# Altium PCB PCB1.PcbDoc (part 2 of 2)
Units mil, origin at the board's own origin, x right, y up, seen from the top; angles counter-clockwise.
Board outline 3149.61 x 1673.23 mil, 4 copper layers (TOP-SIG, GND1, GND2, BOT-SIG), stack 62.449 mil thick; 123 components, 58 nets, 291 pads, 564 vias.
Unrouted connection lines stored in the file: 2.
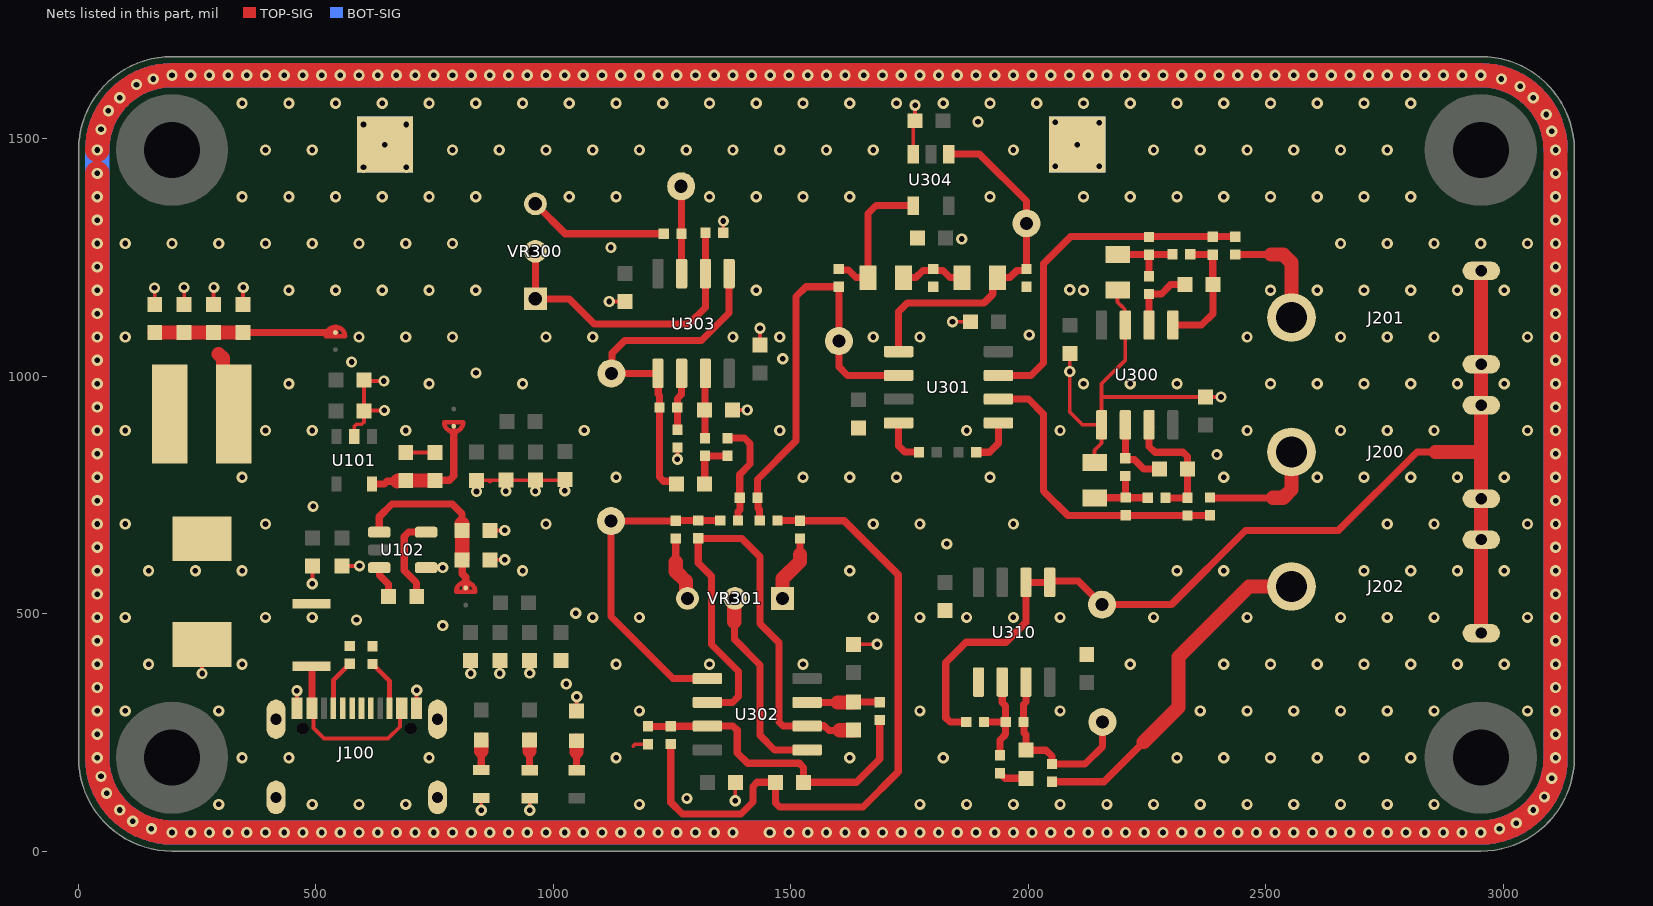
[diagram p4: the nets of this part, all layers, seen from the top]

## Via types
v1: diameter 23.62, hole 11.81, TOP-SIG to BOT-SIG, tented both sides, 532 vias
v2: diameter 23.62, hole 23.62, TOP-SIG to BOT-SIG, 32 vias

## Nets (pads, with @x,y where several pads share a name; then routed paths per layer and width w, separated by ;. In a path a pad name is that pad's centre, name@x,y a point inside that pad or via, vN(x,y) a via of type N, cw(c..) or ccw(c..) an arc to the next point about the centre after c; other vN are vias at no path point) (continued)
GND: C100.1 C101.1 C102.1 C103.1 C108.1 C109.1 C110.1 C111.1 C112.1 C113.1 C114.1 C115.1 C117.1 C118.1 C119.1 C120.1 C121.1 C122.1 C123.1 C124.1 C301.2 C302.1 C303.1 C306.1 C308.1 C309.2 C312.1 C313.2 C314.1 C315.2 C316.1 C318.2 C319.1 C321.1 C322.2 D101.2 D104.2 J100.A1_B12 J100.B1_A12 J100.SH1 J100.SH2 J100.SH3 J100.SH4 R100.2 R101.1 R102.1 R104.2 R313.1 R317.1 R320.1 R325.1 R326.1 TP100.1 TP101.1 TP102.1 TP103.1 U101.2 U102.4 U300.3 U300.5 U304.3 U310.5 | length 20364.8
  TOP-SIG w8: v1(160,1186) 160.51,1185.49 C100.1@160.51,1151.28 ; v1(222,1187) 222.51,1186.49 C101.1@222.51,1151.28 ; v1(260.14,374.14) D101.2@260.14,435.26 ; C102.1@284.51,1151.28 284.51,1186.51 v1(285,1187) ; C103.1@346.51,1151.28 346.51,1186.51 v1(347,1187) ; J100.A1_B12@459.92,300.39 v1(459.92,337.92) ; v1(492,563) 492.7,563.7 C117.1@492.7,600.72 ; C118.1@554.7,600.72 v1(591.66,600.72) ; U101.2@580.47,873.38 580.47,894.31 585.16,899 596.31,899 601,903.69 601,991.47 C109.1@601.53,992 603.53,990 v1(643,990) ; C108.1@601.45,927.1 602.35,928 v1(644,928) ; C110.1@689,839.53 C111.1@751,839.53 ; J100.B1_A12@711.89,300.39 711.89,338.89 v1(712,339) ; U102.4@732.1,596.85 766.85,596.85 v1(767,597) ; C121.1@825.71,401.53 C121.1@827.82,399.42 ; C113.1@838,780.94 863.59,780.94 ; v1(848,86) R100.2@848,111.76 ; C119.1@866.88,613.42 v1(897.58,613.42) ; C120.1@866.88,675.42 v1(897.58,675.42) v1@898,675.84 ; 866.88,777.65 863.59,780.94 ; v1(887,374) 887,400.82 C122.1@887.71,401.53 ; C123.1@949.71,401.47 950,401.24 v1(950,375) ; v1(950,86) R104.2@950,111.47 ; C124.1@1015.71,401.53 C124.1@1024,393.24 ; C115.1@1024,782.4 1022.54,780.94 863.59,780.94 ; D104.2@1048.71,295.5 1048.71,324.71 v1(1049,325) ; v1(1117.53,1157.47) C313.2@1151,1157.47 ; 1168.1,221.1 1171.93,224.93 1198.63,224.93 R320.1@1199,225.3 ; v1(1261,825) v1(1261,825) R326.1@1261.05,850.15 ; R325.1@1357.7,1302 1357.7,1326.7 v1(1358,1327) ; C306.1@1377.53,929 v1(1408,929) ; v1(1383,106) 1383,144.94 C308.1@1383.06,145 ; C312.1@1435,1065.53 v1(1435,1101) ; C309.2@1632,435.53 v1(1681.53,435.53) ; U304.3@1757.6,1467.58 1757.6,1534.13 C319.1@1761.47,1538 v1(1761.47,1570.47) ; v1(1840.29,1114.71) C315.2@1878.43,1114.71 ; C301.2@2087.26,1048.29 v1(2087.26,1010) 2087.26,924.74 2114.18,897.82 U300.5@2154.26,897.82 ; C314.1@2139.54,818.67 2139.54,844.27 2154.26,858.98 U300.5@2154.26,897.82 ; C303.1@2188.01,1181.32 2188.01,1155.73 2195.74,1148 2196,1148 2203,1141 2203,1109.08 U300.3@2204.26,1107.82 2204.26,1034.26 2154.26,984.26 2154.26,955 ; v1(2405.73,956.27) C302.1@2373.13,956.27 2155.53,956.27 2154.26,955 ; U300.5@2154.26,897.82 2154.26,955
  TOP-SIG w51.18: v1(39.37,1427.17) v1(39.37,885.82) v1(39.37,836.61) v1(39.37,787.4) v1(39.37,738.18) v1(39.37,688.97) v1(39.37,639.76) v1(39.37,590.54) v1(39.37,541.33) v1(39.37,492.12) v1(39.37,442.91) v1(39.37,393.69) v1(39.37,344.48) v1(39.37,295.27) v1(39.37,246.05) 39.37,196.85 ccw(c196.85,196.85) v1(196.85,39.37) v1(236.22,39.37) v1(275.59,39.37) v1(314.96,39.37) v1(354.33,39.37) v1(393.7,39.37) v1(433.07,39.37) v1(472.44,39.37) v1(511.81,39.37) v1(551.18,39.37) v1(590.55,39.37) v1(629.92,39.37) v1(669.29,39.37) v1(708.66,39.37) v1(748.03,39.37) v1(787.4,39.37) v1(826.77,39.37) v1(866.14,39.37) v1(905.51,39.37) v1(944.88,39.37) v1(984.25,39.37) v1(1023.62,39.37) v1(1062.99,39.37) v1(1102.36,39.37) v1(1141.73,39.37) v1(1181.1,39.37) v1(1259.84,39.37) ; v1(39.37,1476.38) cw(c196.85,1476.38) v1(196.85,1633.86) v1(236.22,1633.86) v1(275.59,1633.86) v1(314.96,1633.86) v1(354.33,1633.86) v1(393.7,1633.86) v1(433.07,1633.86) v1(472.44,1633.86) v1(511.81,1633.86) v1(551.18,1633.86) v1(590.55,1633.86) v1(629.92,1633.86) v1(669.29,1633.86) v1(708.66,1633.86) v1(748.03,1633.86) v1(787.4,1633.86) v1(826.77,1633.86) v1(866.14,1633.86) v1(905.51,1633.86) v1(944.88,1633.86) v1(984.25,1633.86) v1(1023.62,1633.86) v1(1062.99,1633.86) v1(1102.36,1633.86) v1(1141.73,1633.86) v1(1181.1,1633.86) v1(1220.47,1633.86) v1(1259.84,1633.86) v1(1299.21,1633.86) v1(1338.58,1633.86) v1(1377.95,1633.86) v1(1417.32,1633.86) v1(1456.69,1633.86) v1(1496.06,1633.86) v1(1535.43,1633.86) v1(1574.8,1633.86) v1(1614.17,1633.86) v1(1653.54,1633.86) v1(1692.91,1633.86) v1(1732.28,1633.86) v1(1771.65,1633.86) v1(1811.02,1633.86) v1(1850.39,1633.86) v1(1889.76,1633.86) v1(1929.13,1633.86) v1(1968.5,1633.86) v1(2007.87,1633.86) v1(2047.24,1633.86) v1(2086.61,1633.86) v1(2125.98,1633.86) v1(2165.35,1633.86) v1(2204.72,1633.86) v1(2244.09,1633.86) v1(2283.46,1633.86) v1(2322.83,1633.86) v1(2362.2,1633.86) v1(2401.57,1633.86) v1(2440.94,1633.86) v1(2480.32,1633.86) v1(2519.68,1633.86) v1(2559.06,1633.86) v1(2598.43,1633.86) v1(2637.8,1633.86) v1(2677.17,1633.86) v1(2716.54,1633.86) v1(2755.91,1633.86) v1(2795.28,1633.86) v1(2834.65,1633.86) v1(2874.02,1633.86) v1(2913.39,1633.86) v1(2952.76,1633.86) cw(c2952.76,1476.38) v1(3110.24,1476.38) v1(3110.24,1427.16) v1(3110.24,1377.95) v1(3110.24,1328.74) v1(3110.24,1279.53) v1(3110.24,1230.31) v1(3110.24,1181.1) v1(3110.24,1131.89) v1(3110.24,1082.67) v1(3110.24,1033.46) v1(3110.24,984.25) v1(3110.24,935.03) v1(3110.24,885.82) v1(3110.24,836.61) v1(3110.24,787.4) v1(3110.24,738.18) v1(3110.24,688.97) v1(3110.24,639.76) v1(3110.24,590.54) v1(3110.24,541.33) v1(3110.24,492.12) v1(3110.24,442.9) v1(3110.24,393.69) v1(3110.24,344.48) v1(3110.24,295.27) v1(3110.24,246.05) 3110.24,196.85 cw(c2952.76,196.85) v1(2952.76,39.37) v1(2913.39,39.37) v1(2874.02,39.37) v1(2834.65,39.37) v1(2795.28,39.37) v1(2755.91,39.37) v1(2716.54,39.37) v1(2677.17,39.37) v1(2637.8,39.37) v1(2598.43,39.37) v1(2559.06,39.37) v1(2519.68,39.37) v1(2480.32,39.37) v1(2440.94,39.37) v1(2401.57,39.37) v1(2362.2,39.37) v1(2322.83,39.37) v1(2283.46,39.37) v1(2244.09,39.37) v1(2204.72,39.37) v1(2165.35,39.37) v1(2125.98,39.37) v1(2086.61,39.37) v1(2047.24,39.37) v1(2007.87,39.37) v1(1968.5,39.37) v1(1929.13,39.37) v1(1889.76,39.37) v1(1850.39,39.37) v1(1811.02,39.37) v1(1771.65,39.37) v1(1732.28,39.37) v1(1692.91,39.37) v1(1653.54,39.37) v1(1614.17,39.37) v1(1574.8,39.37) v1(1535.43,39.37) v1(1496.06,39.37) v1(1454.65,39.37) 1454.37,39.09 v1@1377.95,39.09 ; v1@1255.63,39.09 1298.93,39.09 v1(1299.21,39.37) ; v1@1299.21,39.09 1338.3,39.09 v1(1338.58,39.37) ; v1@1338.58,39.09 1377.67,39.09 v1(1377.95,39.37)
  BOT-SIG w51.18: v1(3110.24,1427.16) v1(3110.24,1377.95) v1(3110.24,1328.74) v1(3110.24,1279.53) v1(3110.24,1230.31) v1(3110.24,1181.1) v1(3110.24,1131.89) v1(3110.24,1082.67) v1(3110.24,1033.46) v1(3110.24,984.25) v1(3110.24,935.03) v1(3110.24,885.82) v1(3110.24,836.61) v1(3110.24,787.4) v1(3110.24,738.18) v1(3110.24,688.97) v1(3110.24,639.76) v1(3110.24,590.54) v1(3110.24,541.33) v1(3110.24,492.12) v1(3110.24,442.9) v1(3110.24,393.69) v1(3110.24,344.48) v1(3110.24,295.27) v1(3110.24,246.05) v1(3110.24,196.84) cw(c2952.76,196.85) v1(2952.76,39.37) v1(2913.39,39.37) v1(2874.02,39.37) v1(2834.65,39.37) v1(2795.28,39.37) v1(2755.91,39.37) v1(2716.54,39.37) v1(2677.17,39.37) v1(2637.8,39.37) v1(2598.43,39.37) v1(2559.06,39.37) v1(2519.68,39.37) v1(2480.32,39.37) v1(2440.94,39.37) v1(2401.57,39.37) v1(2362.2,39.37) v1(2322.83,39.37) v1(2283.46,39.37) v1(2244.09,39.37) v1(2204.72,39.37) v1(2165.35,39.37) v1(2125.98,39.37) v1(2086.61,39.37) v1(2047.24,39.37) v1(2007.87,39.37) v1(1968.5,39.37) v1(1929.13,39.37) v1(1889.76,39.37) v1(1850.39,39.37) v1(1811.02,39.37) v1(1771.65,39.37) v1(1732.28,39.37) v1(1692.91,39.37) v1(1653.54,39.37) v1(1614.17,39.37) v1(1574.8,39.37) v1(1535.43,39.37) v1(1496.06,39.37) v1(1456.69,39.37) 1417.32,39.37 v1(1377.95,39.37) v1(1338.58,39.37) v1(1299.21,39.37) v1(1259.84,39.37) v1(1220.47,39.37) v1(1181.1,39.37) v1(1141.73,39.37) v1(1102.36,39.37) v1(1062.99,39.37) v1(1023.62,39.37) v1(984.25,39.37) v1(944.88,39.37) v1(905.51,39.37) v1(866.14,39.37) v1(826.77,39.37) v1(787.4,39.37) v1(748.03,39.37) v1(708.66,39.37) v1(669.29,39.37) v1(629.92,39.37) v1(590.55,39.37) v1(551.18,39.37) v1(511.81,39.37) v1(472.44,39.37) v1(433.07,39.37) v1(393.7,39.37) v1(354.33,39.37) v1(314.96,39.37) v1(275.59,39.37) v1(236.22,39.37) v1(196.85,39.37) cw(c196.85,196.85) 39.37,196.85 v1(39.37,295.27) v1(39.37,344.48) v1(39.37,393.69) v1(39.37,442.91) v1(39.37,492.12) v1(39.37,541.33) v1(39.37,590.54) v1(39.37,639.76) v1(39.37,688.97) v1(39.37,738.18) v1(39.37,787.4) v1(39.37,836.61) v1(39.37,885.82) v1(39.37,935.04) v1(39.37,984.25) v1(39.37,1033.46) v1(39.37,1082.67) v1(39.37,1131.89) v1(39.37,1181.1) v1(39.37,1230.31) v1(39.37,1279.53) v1(39.37,1328.74) v1(39.37,1377.95) v1(39.37,1476.38) cw(c196.85,1476.38) v1(196.85,1633.86) v1(236.22,1633.86) v1(275.59,1633.86) v1(314.96,1633.86) v1(354.33,1633.86) v1(393.7,1633.86) v1(433.07,1633.86) v1(472.44,1633.86) v1(511.81,1633.86) v1(551.18,1633.86) v1(590.55,1633.86) v1(629.92,1633.86) v1(669.29,1633.86) v1(708.66,1633.86) v1(748.03,1633.86) v1(787.4,1633.86) v1(826.77,1633.86) v1(866.14,1633.86) v1(905.51,1633.86) v1(944.88,1633.86) v1(984.25,1633.86) v1(1023.62,1633.86) v1(1062.99,1633.86) v1(1102.36,1633.86) v1(1141.73,1633.86) v1(1181.1,1633.86) v1(1220.47,1633.86) v1(1259.84,1633.86) v1(1299.21,1633.86) v1(1338.58,1633.86) v1(1377.95,1633.86) v1(1417.32,1633.86) v1(1456.69,1633.86) v1(1496.06,1633.86) v1(1535.43,1633.86) v1(1574.8,1633.86) v1(1614.17,1633.86) v1(1653.54,1633.86) v1(1692.91,1633.86) v1(1732.28,1633.86) v1(1771.65,1633.86) v1(1811.02,1633.86) v1(1850.39,1633.86) v1(1889.76,1633.86) v1(1929.13,1633.86) v1(1968.5,1633.86) v1(2007.87,1633.86) v1(2047.24,1633.86) v1(2086.61,1633.86) v1(2125.98,1633.86) v1(2165.35,1633.86) v1(2204.72,1633.86) v1(2244.09,1633.86) v1(2283.46,1633.86) v1(2322.83,1633.86) v1(2362.2,1633.86) v1(2401.57,1633.86) v1(2440.94,1633.86) v1(2480.32,1633.86) v1(2519.68,1633.86) v1(2559.06,1633.86) v1(2598.43,1633.86) v1(2637.8,1633.86) v1(2677.17,1633.86) v1(2716.54,1633.86) v1(2755.91,1633.86) v1(2795.28,1633.86) v1(2834.65,1633.86) v1(2874.02,1633.86) v1(2913.39,1633.86) v1(2952.76,1633.86) cw(c2952.76,1476.38) v1(3110.24,1476.38)
  other v1: 153.54,47.24 2992.13,47.24 3027.56,59.06 114.17,62.99 86.61,86.61 3062.99,86.61 295.28,98.43 492.13,98.43 590.55,98.43 688.98,98.43 1181.1,98.43 1771.65,98.43 1870.08,98.43 1968.5,98.43 2066.93,98.43 2165.35,98.43 2263.78,98.43 2362.2,98.43 2460.63,98.43 2559.06,98.43 2657.48,98.43 2755.91,98.43 2854.33,98.43 1281,111 3086.61,114.17 59.06,122.05 3102.36,153.54 47.24,157.48 39.37,196.84 344.49,196.85 442.91,196.85 738.19,196.85 1131.89,196.85 1624.02,196.85 1820.87,196.85 2312.99,196.85 2411.42,196.85 2509.84,196.85 2608.27,196.85 2706.69,196.85 2805.12,196.85 98.43,295.28 295.28,295.28 1181.1,295.28 1771.65,295.28 2066.93,295.28 2362.2,295.28 2460.63,295.28 2559.06,295.28 2657.48,295.28 2755.91,295.28 2854.33,295.28 3051.18,295.28 1027,352 826,374 147.64,393.7 344.49,393.7 1131.89,393.7 1328.74,393.7 1525.59,393.7 2214.57,393.7 2411.42,393.7 2509.84,393.7 2608.27,393.7 2706.69,393.7 2805.12,393.7 2903.54,393.7 3001.97,393.7 767,475 585.32,486.89 98.43,492.13 393.7,492.13 492.13,492.13 1082.68,492.13 1181.1,492.13 1673.23,492.13 1771.65,492.13 1870.08,492.13 1968.5,492.13 2066.93,492.13 2263.78,492.13 2460.63,492.13 2657.48,492.13 2755.91,492.13 2854.33,492.13 3051.18,492.13 1047,501 147.64,590.55 246.06,590.55 344.49,590.55 935.04,590.55 1624.02,590.55 2312.99,590.55 2411.42,590.55 2706.69,590.55 2805.12,590.55 2903.54,590.55 3001.97,590.55 1828,647 98.43,688.98 393.7,688.98 984.25,688.98 1673.23,688.98 1771.65,688.98 1968.5,688.98 2755.91,688.98 2854.33,688.98 3051.18,688.98 494,726 838,757.32 900,758.08 962,758.08 1024,759 344.49,787.4 1131.89,787.4 1525.59,787.4 1624.02,787.4 1722.44,787.4 1919.29,787.4 2411.42,787.4 2608.27,787.4 2706.69,787.4 2805.12,787.4 2903.54,787.4 3001.97,787.4 2397,835 98.43,885.83 393.7,885.83 492.13,885.83 688.98,885.83 1065,886 1476.38,885.83 1870.08,885.83 2066.93,885.83 2460.63,885.83 2657.48,885.83 2755.91,885.83 2854.33,885.83 3051.18,885.83 442.91,984.25 738.19,984.25 935.04,984.25 2116.14,984.25 2214.57,984.25 2312.99,984.25 2509.84,984.25 2608.27,984.25 2706.69,984.25 2805.12,984.25 2903.54,984.25 3001.97,984.25 837,1007 575,1030 1483,1037 98.43,1082.68 590.55,1082.68 688.98,1082.68 787.4,1082.68 984.25,1082.68 1082.68,1082.68 1377.95,1082.68 1476.38,1082.68 1673.23,1082.68 1771.65,1082.68 2460.63,1082.68 2657.48,1082.68 2755.91,1082.68 2854.33,1082.68 3051.18,1082.68 2002,1087 442.91,1181.1 541.34,1181.1 639.76,1181.1 738.19,1181.1 836.61,1181.1 1427.17,1181.1 2116.14,1181.1 2509.84,1181.1 2608.27,1181.1 2706.69,1181.1 2805.12,1181.1 2903.54,1181.1 3001.97,1181.1 2087,1182 1121,1271 98.43,1279.53 196.85,1279.53 295.28,1279.53 393.7,1279.53 492.13,1279.53 590.55,1279.53 688.98,1279.53 787.4,1279.53 2657.48,1279.53 2755.91,1279.53 2854.33,1279.53 2952.76,1279.53 3051.18,1279.53 1860,1289 344.49,1377.95 442.91,1377.95 541.34,1377.95 639.76,1377.95 738.19,1377.95 836.61,1377.95 1033.46,1377.95 1131.89,1377.95 1328.74,1377.95 1427.17,1377.95 1525.59,1377.95 1624.02,1377.95 1919.29,1377.95 2116.14,1377.95 2214.57,1377.95 2312.99,1377.95 2411.42,1377.95 2509.84,1377.95 2608.27,1377.95 2706.69,1377.95 2805.12,1377.95 600,1440 690,1440 2057,1442 2149,1442 393.7,1476.38 492.13,1476.38 787.4,1476.38 885.83,1476.38 984.25,1476.38 1082.68,1476.38 1181.1,1476.38 1279.53,1476.38 1377.95,1476.38 1476.38,1476.38 1574.8,1476.38 1673.23,1476.38 1968.5,1476.38 2263.78,1476.38 2362.2,1476.38 2460.63,1476.38 2559.06,1476.38 2657.48,1476.38 2755.91,1476.38 645,1487.72 2103,1487.72 3102.36,1515.75 47.24,1519.69 600,1530 690,1530 2149,1534 2057,1535 1894,1536 3090.55,1551.18 62.99,1559.06 344.49,1574.8 442.91,1574.8 541.34,1574.8 639.76,1574.8 738.19,1574.8 836.61,1574.8 935.04,1574.8 1033.46,1574.8 1131.89,1574.8 1230.32,1574.8 1328.74,1574.8 1427.17,1574.8 1525.59,1574.8 1624.02,1574.8 1722.44,1574.8 1820.87,1574.8 1919.29,1574.8 2017.72,1574.8 2116.14,1574.8 2214.57,1574.8 2312.99,1574.8 2411.42,1574.8 2509.84,1574.8 2608.27,1574.8 2706.69,1574.8 2805.12,1574.8 86.61,1586.61 3062.99,1586.61 3035.43,1610.24 122.05,1614.17 157.48,1625.98 2996.06,1625.98
NetC100_2: C100.2 C101.2 C102.2 C103.2 L100.2 SB100.2 | length 520.9
  TOP-SIG w15: C103.2@346.51,1092.22 540.78,1092.22 SB100.2@541,1092
  TOP-SIG w30: C100.2@161.26,1091.48 C100.2@160.51,1092.22 C101.2@222.51,1092.22 C102.2@284.51,1092.22 C103.2@346.51,1092.22 ; 294.7,1047 303.99,1037.71 303.99,943.29 L100.2@326.39,920.89
NetC110_2: C110.2 C111.2 SB102.2 U101.5 | length 247
  TOP-SIG w15: U101.5@617.87,772.99 643.99,772.99 650,779 671,779 ; C111.2@760,780.47 760.53,781 781.21,781 790,789.79 790,883.24
  TOP-SIG w30: 671,779 672.47,780.47 ; C110.2@689,780.47 C111.2@751,780.47
NetC116_1: C116.1 U102.3 | length 68.8
  TOP-SIG w15: U102.3@633.29,596.85 634,596.13 634,581 653,562 653,536.42 C116.1@653.17,536.25
NetC116_2: C116.2 U102.5 | length 187.2
  TOP-SIG w15: C116.2@712.22,536.25 712,536.47 712,565 686,591 686,662.86 694.79,671.65 U102.5@732.1,671.65
NetC119_2: C119.2 C120.2 SB103.2 U102.1 | length 401.3
  TOP-SIG w15: U102.1@633.29,671.65 633.29,704.29 660,731 787,731 807.83,710.17 C120.2@807.83,675.42 ; C119.2@807.83,613.42 808,613.25 808,584 815.28,576.72 SB103.2@815.28,553.73
  TOP-SIG w30: C120.2@807,690.03 807.83,689.2 C120.2@807.83,675.42 C119.2@807.83,613.42
NetC300_1: C300.1 R300.1 R304.1 U300.1 | length 266.4
  TOP-SIG w15: U300.1@2304.26,1107.82 2364.82,1107.82 2388.53,1131.53 C300.1@2388.53,1193 2388.39,1193.13 2388.39,1255.98 R304.1@2388.26,1256.12 2387.91,1256.47 2341.31,1256.47 R300.1@2340.96,1256.82
NetC300_2: C300.2 R301.1 U300.2 | length 148.7
  TOP-SIG w15: U300.2@2254.26,1107.82 R301.1@2254.26,1173.12 2280.12,1173.12 2300,1193 C300.2@2329.47,1193
NetC303_2: C303.2 R300.2 R301.2 R302.2 | length 161.3
  TOP-SIG w15: C303.2@2188.01,1256.13 2188.36,1256.47 2303.21,1256.47 R300.2@2303.56,1256.82 ; R301.2@2254.26,1210.52 R302.2@2254.26,1255.98
NetC304_1: C304.1 R308.2 R309.1 | length 106.9
  TOP-SIG w15: C304.1@1318.53,773 1318.76,773.24 1318.76,832.06 R309.1@1319,832.3 R308.2@1366.43,832.3
NetC304_2: C304.2 R324.2 TP303.1 U303.1 U303.5 | length 767.5
  TOP-SIG w15: C304.2@1259.47,773 1253.54,778.93 1232.09,778.93 1223.3,787.72 R324.2@1223.3,934 1223.3,959.7 1220.7,962.3 1220.7,1005.3 U303.1@1220,1006 TP303.1@1122,1006 1123.29,1007.29 1123.29,1048.29 1150,1075 1312,1075 1370,1133 U303.5@1370,1216
NetC305_1: C305.1 R306.2 R314.1 R327.2 | length 1452.4
  TOP-SIG w15: R314.1@1247,225.6 1247,103 1271.54,78.46 1394.7,78.46 1420,103.76 1420,136.21 1428.79,145 C305.1@1467.47,145 1467.47,101.79 1476.26,93 1652,93 1726,167 1726,582 1612.3,695.7 R327.2@1519,695.7 1518.8,695.9 1471.9,695.9 R306.2@1471.7,696.1
NetC305_2: C305.2 R312.2 R314.2 R320.2 U302.3 | length 685.7
  TOP-SIG w15: R320.2@1199,262.7 1199.15,262.85 1246.85,262.85 R314.2@1247,263 ; R314.2@1247.28,262.98 1323.88,262.98 U302.3@1324.15,263.25 1378.21,263.25 1387,254.47 1387,207 1409,185 1517.74,185 1526.53,176.21 C305.2@1526.53,145 1638,145 1687,194 R312.2@1687,276.35
NetC306_2: C306.2 R309.2 U303.3 | length 136.7
  TOP-SIG w15: R309.2@1319,869.7 1319.5,870.2 1319.5,1005.5 U303.3@1320,1006
NetC307_1: C307.1 R312.1 U302.7 | length 152.5
  TOP-SIG w15: U302.7@1534.15,313.25 1598.75,313.25 ; C307.1@1632.29,313.68 R312.1@1687,313.75
  TOP-SIG w30: 1598.75,313.25 C307.1@1631.86,313.25
NetC307_2: C307.2 R323.2 U302.2 U302.6 | length 1115.2
  TOP-SIG w15: U302.2@1324.15,313.25 1377.25,313.25 1390,326 1390,378 1333,435 1333,579 1304.98,607.02 R323.2@1304.98,658.69 1396.31,658.69 1435,620 1435,479 1475,439 1475,272.04 1483.79,263.25 U302.6@1534.15,263.25 1534.9,264 1570,264 1580,254 1602.38,254 1603,254.62
  TOP-SIG w30: 1603,254.62 C307.2@1632.29,254.62
NetC310_1: C310.1 R313.2 TP306.1 U301.5 U304.1 | length 752.6
  TOP-SIG w15: U301.5@1727,1051.8 1727,1136 1745.59,1154.59 1906.98,1154.59 1925.18,1172.8 1925.18,1197.47 C310.1@1935.4,1207.68 1961,1207.68 1975.64,1222.33 1992.67,1222.33 R313.2@1996,1225.65 1996,1331 1996,1369 1897.42,1467.58 U304.1@1832.4,1467.58
NetC310_2: C310.2 C311.1 R317.2 | length 138.3
  TOP-SIG w15: C311.1@1737.4,1207.68 1762.99,1207.68 1777.93,1222.63 1796.67,1222.63 R317.2@1800,1225.95 1803.33,1222.63 1820.07,1222.63 1835.01,1207.68 C310.2@1860.6,1207.68
NetC311_2: C311.2 R311.1 U304.4 | length 306
  TOP-SIG w15: R311.1@1601,1225.95 1603.27,1223.68 1621,1223.68 1637,1207.68 C311.2@1662.6,1207.68 1662.6,1342.6 1679.32,1359.32 U304.4@1757.6,1359.32
NetC314_2: C314.2 R319.1 R321.2 R329.2 | length 157.5
  TOP-SIG w15: C314.2@2139.54,743.86 2139.94,744.26 2203.87,744.26 2204.58,744.97 2204.58,789.8 R321.2@2204.26,790.12 ; R319.1@2204.89,744.65 2205.27,744.27 2250.96,744.27 R329.2@2251.34,743.89
NetC317_1: C317.1 R316.1 R329.1 U300.7 | length 275.1
  TOP-SIG w15: U300.7@2258.57,893.51 U300.7@2254.26,897.82 2254.26,852.26 2266.52,840 2326,840 2335,831 2335,805.53 C317.1@2335.53,805 ; R329.1@2288.74,743.89 2288.81,743.96 2335.13,743.96 R316.1@2335.19,744.02 2335.49,744.32 2335.49,804.7 C317.1@2335.79,805
NetC317_2: C317.2 R321.1 U300.6 | length 159.5
  TOP-SIG w15: U300.6@2204.26,897.82 R321.1@2204.26,827.52 2206.78,825 2223,825 2243,805 C317.2@2276.47,805 C317.2@2271.05,810.42
NetC320_1: C320.1 R202.2 R331.1 TP305.1 U310.7 | length 397.8
  TOP-SIG w15: U310.7@1995,355.98 1995,314 1989.7,308.7 R331.1@1989.7,271.98 1991,270.68 1991,249 1995,245 C320.1@1995,212.51 2037.48,212.51 2049.72,200.28 R202.2@2049.72,183.54 2119.54,183.54 2156,220 TP305.1@2156,272
NetC320_2: C320.2 R330.1 | length 59.2
  TOP-SIG w15: R330.1@1940.28,164.28 1951.11,153.45 C320.2@1995,153.45
NetD100_1: D100.1 R100.1 | length 63.7
  TOP-SIG w15: R100.1@848,170.82 848,210.88
  TOP-SIG w30: 848,210.88 D100.1@848,234.5
NetD101_1: D101.1 F100.1 L100.1 | length 0.7
  TOP-SIG w30: L100.1@192.53,920.89 L100.1@193,920.43
NetD103_1: D103.1 R104.1 | length 64
  TOP-SIG w15: 949.85,210.88 949.85,170.67 R104.1@950,170.53
  TOP-SIG w30: 949.85,210.88 D103.1@949.85,234.5
NetD104_1: D104.1 R105.1 | length 62.1
  TOP-SIG w15: 1048.71,208.88 1048.71,170.82 R105.1@1049,170.53
  TOP-SIG w30: 1048.71,208.88 D104.1@1048.71,232.5
NetF100_0: F100.0 J100.A4_B9 J100.B4_A9 | length 372.8
  TOP-SIG w8: J100.A4_B9@491.42,300.39 494.92,296.89 494.92,259.08 517,237 652,237 676.89,261.89 676.89,296.89 J100.B4_A9@680.39,300.39
  TOP-SIG w15: J100.A4_B9@491.42,300.39 F100.0@491.42,389
NetJ100_A5: J100.A5 R102.2 | length 108.6
  TOP-SIG w10: J100.A5@536.69,300.39 536.69,359.89 R102.2@571.39,394.58
NetJ100_B5: J100.B5 R101.2 | length 108.8
  TOP-SIG w10: R101.2@618.82,394.27 654.8,358.29 J100.B5@654.8,300.39
NetJ200_2: J200.2 R200.1 | length 257.9
  TOP-SIG w15: R200.1@2382.62,744.6 R200.1@2383.16,744.07 ; R200.1@2383.16,744 2515,744
  TOP-SIG w30: 2515,744 2536.55,744 2554.13,761.57 J200.2@2554.13,840.52
NetJ201_2: J201.2 R201.1 | length 241.1
  TOP-SIG w15: R201.1@2435.69,1256.48 2511.52,1256.48
  TOP-SIG w30: 2511.52,1256.48 2536.55,1256.48 2554.13,1238.91 J201.2@2554.13,1123.52
NetJ202_2: J202.2 R202.1 | length 735.8
  TOP-SIG w15: R202.1@2049.72,146.14 2159.14,146.14 2243,230
  TOP-SIG w30: 2243,230 2316,303 2316,409 2464.52,557.52 J202.2@2552.98,557.52
NetR200_2: R200.2 R316.2 R319.2 U301.2 | length 641.9
  TOP-SIG w15: U301.2@1937,951.8 2000.2,951.8 2032,920 2032,758 2082.87,707.13 2204.89,707.13 2335.19,707.13 R200.2@2382.62,707.13
NetR201_2: R201.2 R302.1 R304.2 U301.3 | length 742.1
  TOP-SIG w15: U301.3@1937,1001.8 2005.8,1001.8 2032,1028 2032,1237 2088.88,1293.88 2254.26,1293.88 2388.26,1293.88 R201.2@2435.69,1293.88
NetR303_1: R303.1 R306.1 R311.2 TP300.1 U301.6 | length 908.1
  TOP-SIG w15: R306.1@1434.3,696.1 1434.3,698.99 1433.86,699.43 1433.86,719.14 1431.04,721.96 1431.04,742.77 R303.1@1429.7,744.1 1429.7,782.7 1511,864 1511,1168 1531.55,1188.55 R311.2@1601,1188.55 TP300.1@1601,1074 1601,1020 1619.2,1001.8 U301.6@1727,1001.8
NetR303_2: R303.2 R307.2 R308.1 | length 225.3
  TOP-SIG w15: R308.1@1366.43,869.7 1402.3,869.7 1414,858 1414,815 1392.3,793.3 R303.2@1392.3,744.1 1393,743.4 1393,719 1389,715 1389,696.27 R307.2@1388.83,696.1
NetR307_1: R307.1 R323.1 R328.1 TP301.1 U302.1 | length 688.3
  TOP-SIG w15: R328.1@1256.89,695 TP301.1@1121,695 1121,494 1251.75,363.25 U302.1@1324.15,363.25 ; R328.1@1257.55,695.66 1257.77,695.88 1304.98,695.88 1351.21,695.88 R307.1@1351.43,696.1
NetR315_1: R315.1 U301.8 | length 97
  TOP-SIG w15: U301.8@1727,901.8 1727,853 1739.79,840.21 R315.1@1769.95,840.21
NetR318_1: R318.1 U301.1 | length 97.5
  TOP-SIG w15: R318.1@1890.22,839.99 1917.99,839.99 1937,859 U301.1@1937,901.8
NetR322_1: R322.1 TP302.1 U303.7 | length 184.4
  TOP-SIG w15: TP302.1@1269,1400 1269.35,1399.65 1269.35,1300.35 R322.1@1269.7,1300 1269.85,1299.85 1269.85,1216.15 U303.7@1270,1216
NetR322_2: R322.2 VR300.3 | length 296.4
  TOP-SIG w15: VR300.3@962,1363 1025,1300 R322.2@1232.3,1300
NetR324_1: R324.1 R326.2 U303.2 | length 122.4
  TOP-SIG w15: R326.2@1261.05,887.55 1260.87,887.72 1260.87,933.83 R324.1@1260.7,934 1261,934.3 1261,953 1270,962 U303.2@1270,1006
NetR325_2: R325.2 U303.6 VR300.1 VR300.2 | length 651.6
  TOP-SIG w15: VR300.2@962,1263 VR300.1@962,1163 1033,1163 1086,1110 1285,1110 1320,1145 U303.6@1320,1216 1320.15,1216.15 1320.15,1301.85 R325.2@1320.3,1302
NetR327_1: R327.1 VR301.1 | length 141.3
  TOP-SIG w15: 1519,624 R327.1@1519,658.3
  TOP-SIG w30: VR301.1@1482.37,532.18 1482.37,573.43 1519,610.05 1519,624
NetR328_2: R328.2 VR301.3 | length 136.4
  TOP-SIG w15: 1257.55,608.55 R328.2@1257.55,658.26
  TOP-SIG w30: 1257.55,608.55 1257.55,589.45 1278.94,568.06 1278.94,535.62 VR301.3@1282.37,532.18
NetR330_2: R330.2 R331.2 R333.1 U310.6 | length 207.8
  TOP-SIG w15: R333.1@1906.83,271.98 R331.2@1952.3,271.98 ; R330.2@1940.28,201.68 1940.28,234.28 1952.3,246.3 1952.3,305.7 1945,313 U310.6@1945,355.98
NetU302_5: U302.5 VR301.2 | length 423
  TOP-SIG w15: 1381,483 1381,446 1435,392 1435,244 1465.75,213.25 U302.5@1534.15,213.25
  TOP-SIG w30: 1381,483 1381,530.81 VR301.2@1382.37,532.18
SHIELD: J200.1 J200.3 J201.1 J201.3 J202.1 J202.3 R333.2 TP304.1 U310.1 U310.2 | length 2328.1
  TOP-SIG w15: R333.2@1869.43,271.98 1834.8,271.98 1826.02,280.77 1826.02,396.98 1869.04,440 1953,440 1995,482 U310.2@1995,565.98 U310.1@2045,565.98 2048.02,569 2105,569 TP304.1@2155,519 2301,519 2457,675 2652.61,675 2818.13,840.52 2857.52,840.52
  TOP-SIG w30: 2857.52,840.52 2953.16,840.52 ; J202.3@2952.59,459.09 2953.16,459.66 2953.16,840.52 ; J201.1@2953.73,1221.94 2953.16,1221.37 2953.16,840.52
USB_D_N: J100.A7 J100.B7
USB_D_P: J100.A6 J100.B6
pads on no net: H100.0 H101.0 H102.0 H103.0 J100. J100.A8 J100.B8 U101.4
copper on no net:
  other v2: 196.85,108.27 2952.76,108.27 134.21,134.21 259.49,134.21 2890.12,134.21 3015.39,134.21 108.27,196.85 285.43,196.85 2864.17,196.85 3041.34,196.85 134.21,259.49 259.49,259.49 2890.12,259.49 3015.39,259.49 196.85,285.43 2952.76,285.43 196.85,1387.8 2952.76,1387.8 134.21,1413.74 259.49,1413.74 2890.12,1413.74 3015.39,1413.74 108.27,1476.38 285.43,1476.38 2864.17,1476.38 3041.34,1476.38 134.21,1539.02 259.49,1539.02 2890.12,1539.02 3015.39,1539.02 196.85,1564.96 2952.76,1564.96

## Polygon pours and split planes (outlines as drawn)
GND on BOT-SIG "GND_L04_P000" (solid, remove dead copper, pour order 0): 0,0 0,1673.23 3149.61,1673.23 3149.61,0
GND on TOP-SIG "GND_L01_P001" (solid, remove dead copper, pour order 1): 0,0 0,1673.23 3149.61,1673.23 3149.61,0
GND on GND2 (split plane): 196.85,1653.13 1476.38,1653.13 2952.75,1653.13 2952.76,1653.13 2953.45,1653.2 2964.32,1652.84 2975.84,1651.71 2987.26,1649.82 2998.53,1647.2 3009.6,1643.84 3020.43,1639.76 3030.97,1634.99 3041.18,1629.53 3051.01,1623.42 3060.41,1616.68 3069.36,1609.34 3077.8,1601.43 3085.72,1592.98 3093.06,1584.03 3099.8,1574.63 3105.91,1564.8 3111.36,1554.59 3116.14,1544.05 3120.22,1533.22 3123.58,1522.15 3126.2,1510.88 3128.09,1499.46 3129.22,1487.94 3129.58,1477.07 3129.51,1476.38 3129.51,196.85 3129.58,196.15 3129.22,185.28 3128.09,173.77 3126.2,162.35 3123.57,151.08 3120.22,140.01 3116.14,129.17 3111.36,118.63 3105.91,108.43 3099.8,98.6 3093.06,89.19 3085.71,80.25 3077.8,71.8 3069.36,63.89 3060.41,56.55 3051.01,49.81 3041.18,43.7 3030.97,38.24 3020.43,33.47 3009.6,29.39 2998.53,26.03 2987.26,23.4 2975.84,21.52 2964.32,20.38 2953.45,20.03 2952.76,20.1 196.85,20.1 196.15,20.03 185.28,20.38 173.77,21.52 162.35,23.4 151.08,26.03 140.01,29.39 129.17,33.47 118.63,38.24 108.43,43.7 98.6,49.81 89.19,56.55 80.25,63.89 71.8,71.8 63.89,80.25 56.55,89.19 49.81,98.6 43.7,108.43 38.24,118.63 33.47,129.17 29.39,140.01 26.03,151.08 23.4,162.35 21.52,173.77 20.38,185.28 20.03,196.15 20.1,196.85 20.1,1476.38 20.03,1477.08 20.38,1487.94 21.52,1499.46 23.4,1510.88 26.03,1522.15 29.39,1533.22 33.47,1544.05 38.24,1554.6 43.7,1564.8 49.81,1574.63 56.55,1584.04 63.89,1592.98 71.8,1601.43 80.25,1609.34 89.19,1616.68 98.6,1623.42 108.43,1629.53 118.63,1634.99 129.17,1639.76 140.01,1643.84 151.08,1647.2 162.35,1649.83 173.77,1651.71 185.28,1652.85 196.15,1653.2
GND on GND1 (split plane): 196.85,1653.13 1476.38,1653.13 2952.75,1653.13 2952.76,1653.13 2953.45,1653.2 2964.32,1652.84 2975.84,1651.71 2987.26,1649.82 2998.53,1647.2 3009.6,1643.84 3020.43,1639.76 3030.97,1634.99 3041.18,1629.53 3051.01,1623.42 3060.41,1616.68 3069.36,1609.34 3077.8,1601.43 3085.72,1592.98 3093.06,1584.03 3099.8,1574.63 3105.91,1564.8 3111.36,1554.59 3116.14,1544.05 3120.22,1533.22 3123.58,1522.15 3126.2,1510.88 3128.09,1499.46 3129.22,1487.94 3129.58,1477.07 3129.51,1476.38 3129.51,196.85 3129.58,196.15 3129.22,185.28 3128.09,173.77 3126.2,162.35 3123.57,151.08 3120.22,140.01 3116.14,129.17 3111.36,118.63 3105.91,108.43 3099.8,98.6 3093.06,89.19 3085.71,80.25 3077.8,71.8 3069.36,63.89 3060.41,56.55 3051.01,49.81 3041.18,43.7 3030.97,38.24 3020.43,33.47 3009.6,29.39 2998.53,26.03 2987.26,23.4 2975.84,21.52 2964.32,20.38 2953.45,20.03 2952.76,20.1 196.85,20.1 196.15,20.03 185.28,20.38 173.77,21.52 162.35,23.4 151.08,26.03 140.01,29.39 129.17,33.47 118.63,38.24 108.43,43.7 98.6,49.81 89.19,56.55 80.25,63.89 71.8,71.8 63.89,80.25 56.55,89.19 49.81,98.6 43.7,108.43 38.24,118.63 33.47,129.17 29.39,140.01 26.03,151.08 23.4,162.35 21.52,173.77 20.38,185.28 20.03,196.15 20.1,196.85 20.1,1476.38 20.03,1477.08 20.38,1487.94 21.52,1499.46 23.4,1510.88 26.03,1522.15 29.39,1533.22 33.47,1544.05 38.24,1554.6 43.7,1564.8 49.81,1574.63 56.55,1584.04 63.89,1592.98 71.8,1601.43 80.25,1609.34 89.19,1616.68 98.6,1623.42 108.43,1629.53 118.63,1634.99 129.17,1639.76 140.01,1643.84 151.08,1647.2 162.35,1649.83 173.77,1651.71 185.28,1652.85 196.15,1653.2

## Keep-outs
Keep-Out Layer:
  lines w15: 0,1476.38 cw(c196.85,1476.38) 196.85,1673.23 1476.38,1673.23 2952.76,1673.23 cw(c2952.76,1476.38) 3149.61,1476.38 3149.61,196.85 cw(c2952.76,196.85) 2952.76,0 196.85,0 cw(c196.85,196.85) 0,196.85 0,1476.38 ; 0,1476.38 0,1476.38

## Other copper
TOP-SIG:
  region net NetF100_0: 451,399 531,399 531,379 504,352 504,277 479,277 479,351 451,379
  region net NetD101_1: 155,1025 230,1025 230,752 277,705 339.5,702.5 451.29,531 531,531 531,511 436,511 431.29,511 371,610 337,610 198,610 155,653
  region net NetC100_2: 289,817 364,817 364,1025 364,1108 145,1108 145,1062 250,1062 290,1022 289,1022

## Silkscreen, mask and mechanical layers (free items; w line width, h text height)
Top Overlay:
  drawing of 83 lines, arcs and shapes, not listed
  text "GND" at 724,1523 h35
  text "GND" at 2181,1522 h35
  text "GAIN CONTROL" at 880,1459 h35
  text "SIGNAL OUT" at 1206,1449 h35
  text "IA / VREF" at 2040.95,1291 h35
  text "+5" at 520,1115 h35
  text "I.AMP." at 1550,995 h35
  text "LPF" at 1011,990 h35
  text "+2.5" at 746,988 h35
  text "NOTCH" at 1060,611 h35
  text "NOTCH / FREQ. TUNING" at 1625.28,591 h35
  text "-2.5" at 853,551 h35
  text "CABLES SHIELD" at 2217.13,485 h35
  text "DRL" at 2218,259 h35
  text "+5" at 911,208 h35 r90
  text "+2.5" at 1012,208 h35 r90
  text "-2.5" at 1111,208 h35 r90
Bottom Overlay:
  drawing of 108 lines, arcs and shapes, not listed
  text "EEG+" at 3061.4,1185 h50 r90
  text "EEG Measurement Circuit ver 1.1 / Designed by GPT" at 2119.98,1109 h35
  text "EEG-" at 3062.4,892 h50 r90
  text "DRL" at 3061,607 h50 r90
  text "Scan me!" at 1791.25,509.47 h35
  text "POWER BANK RECOMMENDED FOR BETTER CMRR / MAX. POWER CONSUMTION: 5V20mA" at 838.38,368 h35
Top Solder:
  lines w49.21: 39.37,196.85 ccw(c196.85,196.85) 196.85,39.37 2952.76,39.37 ccw(c2952.76,196.85) 3110.24,196.85 3110.24,1476.38 ccw(c2952.76,1476.38) 2952.76,1633.86 196.85,1633.86 ccw(c196.85,1476.38) 39.37,1476.38 39.37,196.85
Bottom Solder:
  lines w49.21: 39.37,196.85 ccw(c196.85,196.85) 196.85,39.37 2952.76,39.37 ccw(c2952.76,196.85) 3110.24,196.85 3110.24,1476.38 ccw(c2952.76,1476.38) 2952.76,1633.86 196.85,1633.86 ccw(c196.85,1476.38) 39.37,1476.38 39.37,196.85

## Text inside footprints (layer, text, board x,y; h text height)
D100: Top Overlay "+" at 858,356 h30 r180
D103: Top Overlay "+" at 959.85,356 h30 r180
D104: Top Overlay "+" at 1058.71,354 h30 r180
J100: Mechanical 13 "PCB EDGE" at 798.5,14.76 h16